# KiCad board raven.kicad_pcb (continued)
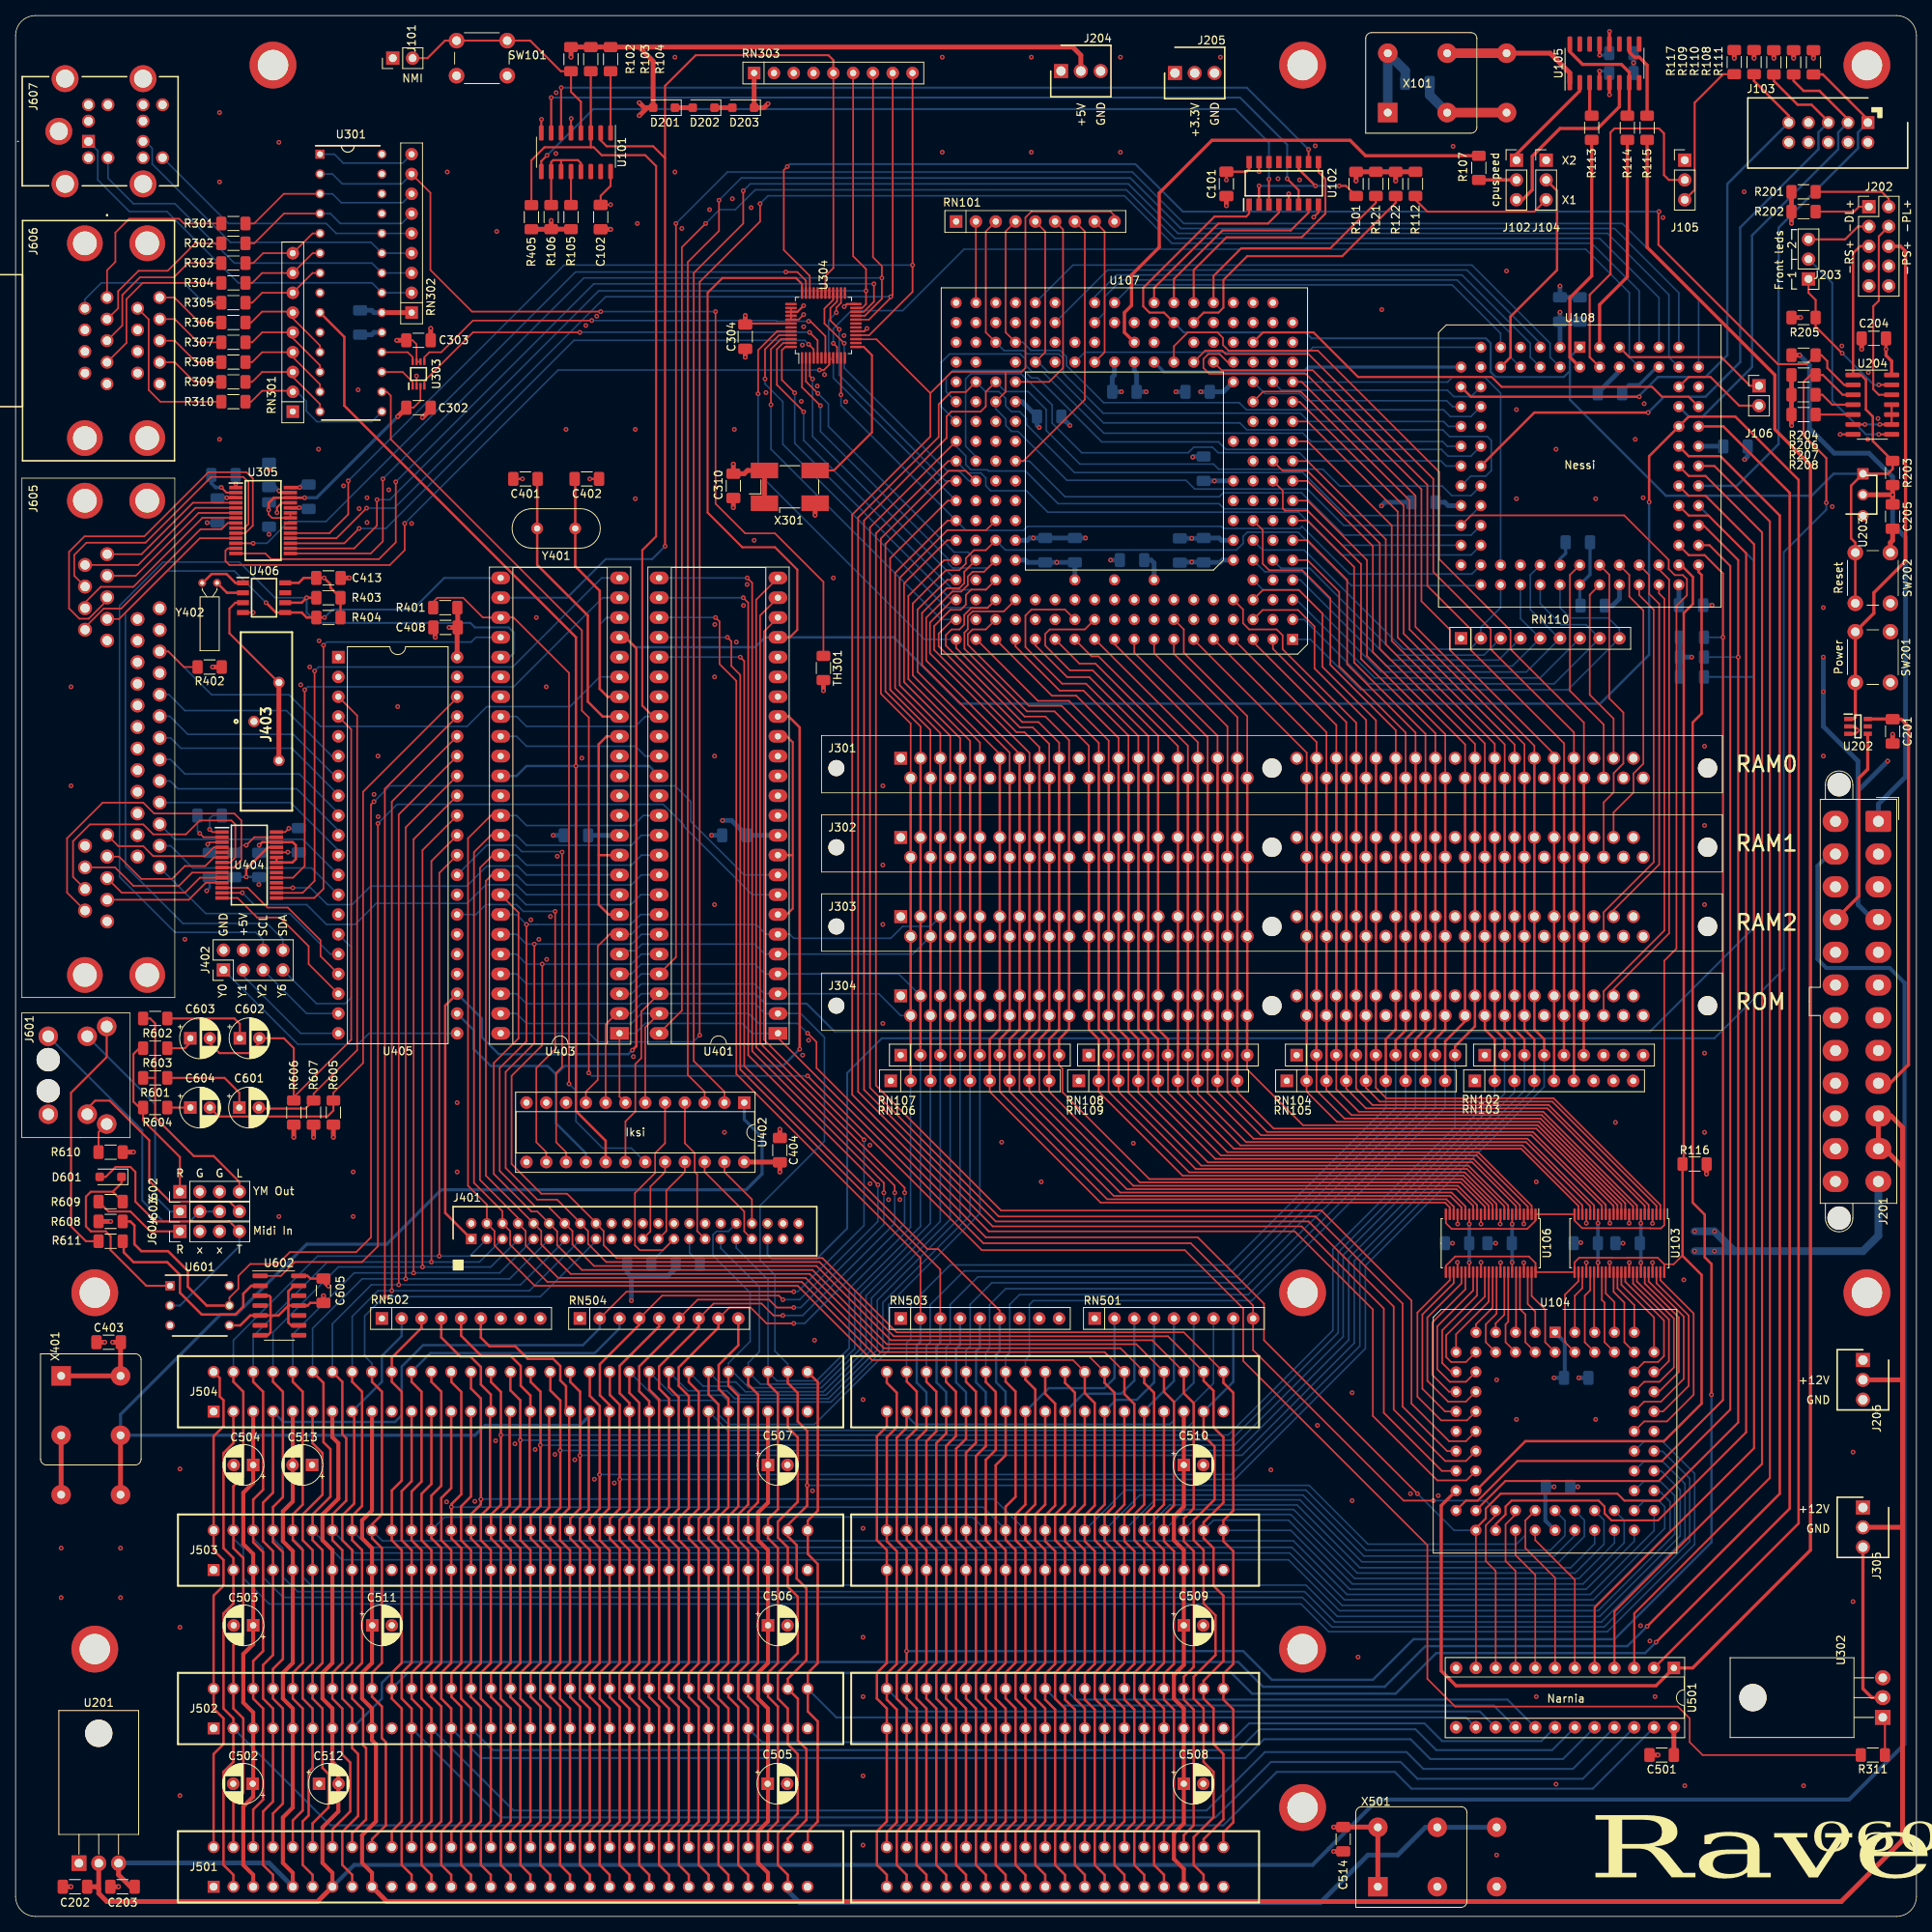
[diagram p0: board, top side]
## Routing (per net, layer and track width the routed paths; a pad name or vN(x,y) marks a point on that pad's centre or on a via; arc(x,y) is an arc through that point) (continued)
/Power/HDDLED+: length 7.1
  Top w0.254: J202.1 236.47,219.33 235.84,218.69 R202.2
/Power/HDDLED-: length 8.4
  Top w0.254: J202.3 236.35,216.79 234.7,215.14 J203.3
/Power/PWRLED+: length 10.8
  Top w0.254: R201.2 239.4,221.23 240.28,220.35 J202.2
/Power/PWRLED-: length 24.4
  Top w0.254: U204.12 239.01,195.2 238.3,195.91 238.3,206.55 239.01,207.26 239.01,215.52 J202.4
/Power/PWRSW+: length 65.9
  Top w0.406: U202.1 235.75,153.6 236,153.86 SW201.2 SW201.2 238.38,167.17 238.38,169.8 242.44,173.86 242.44,213.61 241.81,214.25 J202.6
A0: length 261.1
  Top w0.203: U104.20 183.64,59.69 177.93,65.41 177.93,78.61 166.75,89.79 126.12,89.79 109.6,106.31 109.6,178.18 U107.L18
  Bottom w0.203: U107.L18 120.65,188.6 121.89,187.35 121.89,186.23 122.55,185.57 124.66,185.57 124.81,185.42 129.54,185.42 133.73,181.23 154.38,181.23 155.04,180.57 165.48,180.57 170.15,175.9 185.42,175.9
A1: length 262.5
  Top w0.203: U107.K18 119.64,186.69 110.36,177.41 110.36,106.6 126.42,90.55 167.51,90.55 179.07,78.99 179.07,65.79 183.9,60.96 186.05,60.96 U104.19
  Bottom w0.203: U107.K18 122.17,185.17 123.82,185.17 124.46,184.53 124.46,183.52 125.09,182.88 129.67,182.88 132.41,180.14 164.57,180.14 170.05,174.65 186.72,174.65 187.96,175.9
A2: length 294.2
  Top w0.203: v1(106.3,201.8) 103.76,204.34 103.76,206.25 104.88,207.37 U304.28 ; U107.J17 121.89,185.45 119.68,185.45 111,176.76 111,156.85 114.82,153.02 J301.2
  Top w0.305: J501.60 96.52,10.92 97.79,12.19 97.79,26.92 96.52,28.19 J502.60 96.52,31.24 97.79,32.51 97.79,47.24 96.52,48.51 96.52,50.95 97.79,52.22 97.79,67.06 96.52,68.33 J504.60 ; RN106.2 114.82,107.2 J304.2 J301.2
  Bottom w0.203: U401.3 97.89,118.46 ; U401.3 110.74,118.36 113.55,115.56 J304.2 ; U401.3 96.06,118.36 94.8,119.62 80.26,119.62 79,118.36 U403.3 ; J401.35 92.45,85.75 96.52,81.69 J504.60 97.66,68.71 102.75,68.71 106.93,72.89 106.93,80.52 114.81,88.39 RN106.2 ; v1(106.3,201.8) 106.3,198.63 119.51,185.42 121.03,185.42 122.3,184.15 U107.J17
A3: length 293.8
  Top w0.203: U107.J18 119.66,184.15 111.58,176.07 111.58,157.15 116.09,152.64 J301.3 ; v1(105.66,203.58) 104.52,204.72 104.52,206.31 105.38,207.17 U304.27
  Top w0.305: J301.3 J304.3 116.08,118.09 RN107.2 ; 93.98,8.92 93.98,10.95 95.25,12.22 95.25,26.95 93.98,28.22 93.98,31.27 95.25,32.54 95.25,46.81 93.98,48.08 93.98,51.87 95.25,53.14 95.25,66.95 93.98,68.22 93.98,69.88
  Bottom w0.203: RN107.2 116.08,88.52 107.65,80.09 107.65,72.85 103.07,68.28 95.55,68.28 J504.59 93.98,71.02 95.4,72.44 95.4,80.77 90.45,85.72 J401.33 ; U403.4 79,120.9 80.26,122.16 94.86,122.16 96.12,120.9 U401.4 113.28,120.9 J304.3 ; U107.J18 119.25,184.15 105.66,197.74 v1(105.66,203.58)
A4: length 303
  Top w0.203: U107.H18 119.58,181.61 112.19,174.22 112.19,157.35 117.36,152.18 J301.4 ; U304.26 105.88,206.97 105.28,206.38 v1(105.28,205.74)
  Top w0.305: RN106.3 117.36,107.2 J304.4 J301.4 ; 91.44,69.8 91.44,68.05 92.71,66.78 92.71,52.58 91.44,51.31 91.44,48.46 92.71,47.19 92.71,32.46 91.44,31.19 91.44,28.14 92.71,26.87 92.71,12.14 91.44,10.87 91.44,8.84
  Bottom w0.203: v1(105.28,205.74) 104.3,204.75 104.3,200.12 104.9,199.52 104.9,197.36 U107.H18 ; J401.36 91.44,87.88 89.92,87.88 89.46,87.43 89.46,84.79 94.23,80.01 94.23,73.76 91.44,70.97 J504.58 92.02,69.85 94.06,67.82 103.38,67.82 108.38,72.82 108.38,79.93 117.35,88.9 RN106.3 ; J303.4 115.09,123.44 U401.5 96.1,123.44 94.82,124.73 80.34,124.73 79.49,123.88 77.9,123.88 U403.5
A5: length 370.4
  Top w0.203: J301.5 118.63,151.78 112.83,157.58 112.83,172.34 119.56,179.07 U107.G18 ; U403.6 76.2,125.98 74.68,124.46 74.68,107.32 73.15,105.79 U402.9 ; v1(105.88,195.2) U304.11
  Top w0.305: RN107.3 118.62,118.09 J304.5 J301.5 ; 88.9,8.84 88.9,10.87 90.17,12.14 90.17,26.87 88.9,28.14 88.9,31.19 90.17,32.46 90.17,47.19 88.9,48.46 88.9,51.05 90.17,52.32 90.17,65.68 88.9,66.95 88.9,69.8
  Bottom w0.203: RN107.3 118.62,89.15 109.09,79.63 109.09,72.77 103.63,67.31 93.62,67.31 92.38,68.55 90.2,68.55 J504.57 ; U403.6 78.98,125.98 80.24,127.24 95,127.24 96.26,125.98 U401.6 ; U401.6 98.06,125.72 ; U401.6 99.31,125.98 99.82,125.48 112.27,125.48 113.79,127 117.37,127 J303.5 ; U108.34 186.82,172.21 171.12,172.21 165.02,178.31 164.77,178.05 154.94,178.05 154.69,178.31 129.79,178.31 129.29,177.8 121.92,177.8 U107.G18 105.88,193.84 v1(105.88,195.2)
A6: length 212.4
  Top w0.152: RN106.4 119.9,107.2 J304.6 J301.6
  Top w0.203: J301.6 119.9,151.45 113.41,157.94 113.41,171.7 119.53,177.83 124.49,177.83 U107.G16
  Top w0.305: 86.36,69.8 86.36,68.53 87.63,67.26 87.63,52.32 86.36,51.05 86.36,48.46 87.63,47.19 87.63,32.46 86.36,31.19 86.36,28.14 87.63,26.87 87.63,12.14 86.36,10.87 86.36,8.84
  Bottom w0.203: J504.56 88.19,68.02 91.82,68.02 92.96,66.88 103.96,66.88 109.8,72.72 109.8,79.32 119.89,89.41 RN106.4
A7: length 209.5
  Top w0.203: U107.F18 119.51,176.53 113.97,170.99 113.97,158.34 121.17,151.14 J301.7
  Top w0.305: RN107.4 121.16,118.09 J304.7 J301.7 ; 83.79,8.84 83.79,10.87 85.06,12.14 85.06,26.87 83.79,28.14 83.79,31.19 85.06,32.46 85.06,47.19 83.79,48.46 83.79,51.02 85.06,52.29 85.06,66.6 83.79,67.87 83.79,69.8
  Bottom w0.203: J504.55 86.23,67.44 91.24,67.44 92.25,66.42 104.27,66.42 110.54,72.69 110.54,79.04 121.16,89.66 RN107.4
A8: length 211.1
  Top w0.203: J301.8 122.44,150.81 114.53,158.72 114.53,169.39 119.13,173.99 U107.E18
  Top w0.305: J301.8 J304.8 122.44,107.2 RN106.5 ; 81.28,8.86 81.28,10.9 82.55,12.17 82.55,26.9 81.28,28.17 81.28,31.22 82.55,32.49 82.55,47.22 81.28,48.49 81.28,51.05 82.55,52.32 82.55,66.32 81.28,67.59 81.28,69.82
  Bottom w0.203: J504.54 84.28,66.85 90.65,66.85 91.52,65.99 104.6,65.99 111.25,72.64 111.25,78.74 122.43,89.92 RN106.5
A9: length 290.5
  Top w0.203: U107.F16 124.46,175.26 122.94,175.26 121.89,174.22 121.89,173.53 121.06,172.69 119.35,172.69 115.09,168.43 115.09,159.21 123.71,150.58 J301.9
  Top w0.305: RN107.5 123.7,118.09 J304.9 J301.9 ; 78.74,8.84 78.74,10.87 80.01,12.14 80.01,26.87 78.74,28.14 78.74,31.19 80.01,32.46 80.01,47.19 78.74,48.46 78.74,51.05 80.01,52.32 80.01,65.89 78.74,67.16 78.74,69.8
  Bottom w0.203: RN107.5 123.7,90.17 112.01,78.49 112.01,72.64 102.49,63.12 91.43,63.12 90.17,64.38 90.17,65.53 89.51,66.19 82.4,66.19 J504.53 ; U107.F16 126.97,175.29 156.62,175.29 157.48,176.15 157.48,177.04 158.01,177.57 164.52,177.57 171.37,170.71 187.86,170.71 U108.33
A10: length 364.1
  Top w0.203: J301.61 194.83,150.18 179.58,165.43 179.58,182.25 164.97,196.85 U107.P01
  Top w0.305: J301.61 J304.61 194.83,113.78 196.09,112.52 RN102.4 ; 76.23,69.8 76.23,66.9 77.5,65.63 77.5,52.3 76.23,51.03 76.23,48.46 77.5,47.19 77.5,32.46 76.23,31.19 76.23,28.14 77.5,26.87 77.5,12.14 76.23,10.87 76.23,8.84
  Bottom w0.203: U107.P01 163.86,196.82 183.69,196.82 184.35,197.49 188.42,197.49 190.5,195.4 U108.36 ; RN102.4 196.09,106.43 173.15,83.49 173.15,72.85 156.36,56.06 v1(77.5,56.06)
A11: length 319.2
  Top w0.203: U107.N03 160.05,195.61 164.86,195.61 178.82,181.65 178.82,165.1 193.56,150.36 J301.60
  Top w0.305: J301.60 J302.60 J303.60 J304.60 193.56,113.78 194.82,112.52 RN103.4 ; J501.51 73.66,10.92 74.93,12.19 74.93,26.92 73.66,28.19 J502.51 73.66,31.24 74.93,32.51 74.93,47.24 73.66,48.51 73.66,51.05 74.93,52.32 74.93,65.51 73.66,66.78 J504.51
  Bottom w0.203: RN103.4 194.82,106.17 172.44,83.79 172.44,73.18 155.95,56.69 74.93,56.69 v1(74.9,56.67)
A12: length 312.1
  Top w0.203: U107.N01 164.72,194.31 178.05,180.98 178.05,164.57 192.29,150.33 J301.59
  Top w0.305: J301.59 J304.59 192.29,113.78 193.55,112.52 RN102.3 ; 71.15,8.86 71.15,10.9 72.42,12.17 72.42,26.9 71.15,28.17 71.15,31.22 72.42,32.49 72.42,47.22 71.15,48.49 71.15,51.05 71.86,51.77 71.86,51.78 72.42,52.34 72.42,67.31 71.15,68.58 71.15,69.82
  Bottom w0.203: v1(72.39,59.13) 72.42,59.16 157.33,59.16 171.73,73.56 171.73,84.1 193.55,105.92 RN102.3
A13: length 310.7
  Top w0.203: J301.58 191.02,150.36 177.29,164.08 177.29,180.21 165.73,191.77 U107.M01
  Top w0.305: 68.61,8.89 68.61,10.92 69.88,12.19 69.88,26.92 68.61,28.19 68.61,31.24 69.88,32.51 69.88,47.24 68.61,48.51 68.61,51.16 69.88,52.43 69.88,66.19 68.61,67.46 68.61,69.85 ; RN103.3 192.28,112.52 191.02,113.78 J304.58 J301.58
  Bottom w0.203: RN103.3 192.28,105.71 171.02,84.46 171.02,73.96 156.83,59.77 v1(69.85,59.77)
A14: length 308.7
  Top w0.203: J301.57 189.75,150.41 176.53,163.63 176.53,178.44 165.73,189.23 U107.L01
  Top w0.305: RN102.2 191.01,112.52 189.75,113.78 J304.57 J301.57 ; 66.07,8.89 66.07,10.92 67.34,12.19 67.34,26.92 66.07,28.19 66.07,31.24 67.34,32.51 67.34,47.24 66.07,48.51 66.07,51.38 67.34,52.65 67.34,60.43 v1(67.31,60.45) 67.34,60.48 67.34,67.31 66.07,68.58 66.07,69.85
  Bottom w0.203: RN102.2 191.01,105.54 170.31,84.84 170.31,74.37 156.39,60.45 v1(67.31,60.45)
A15: length 306.7
  Top w0.203: U107.K01 165.73,186.69 175.77,176.66 175.77,163.17 188.48,150.46 J301.56
  Top w0.305: 63.47,8.86 63.47,10.9 64.74,12.17 64.74,26.9 63.47,28.17 63.47,31.22 64.74,32.49 64.74,47.22 63.47,48.49 63.47,51.49 64.74,52.76 v1(64.74,61.09) 64.74,66.22 63.47,67.49 63.47,69.82 ; RN103.2 189.74,112.52 188.48,113.78 J304.56 J301.56
  Bottom w0.203: RN103.2 189.74,105.28 169.67,85.22 169.67,74.88 155.88,61.09 v1(64.74,61.09)
A16: length 308.1
  Top w0.203: J301.55 187.21,150.41 175.01,162.61 175.01,176.15 165.71,185.45 162.53,185.45 U107.K02
  Top w0.305: J301.55 J304.55 187.21,114.19 184.66,111.63 RN104.9 ; 60.99,8.86 60.99,10.9 62.26,12.17 62.26,26.9 60.99,28.17 60.99,31.22 62.26,32.49 62.26,47.22 60.99,48.49 60.99,51.54 62.26,52.81 62.26,67.28 60.99,68.55 60.99,69.82
  Bottom w0.203: v1(62.26,61.75) 155.55,61.75 168.99,75.18 168.99,85.6 184.66,101.27 RN104.9
A17: length 364.6
  Top w0.203: J301.54 185.94,150.36 174.12,162.18 174.12,175.77 165.73,184.15 U107.J01
  Top w0.305: 129.54,69.88 129.54,68.86 130.81,67.59 130.81,52.86 129.54,51.59 129.54,48.29 130.81,47.02 130.81,32.54 129.54,31.27 129.54,27.97 130.81,26.7 130.81,12.22 129.54,10.95 129.54,8.92 ; 58.42,8.86 58.42,10.9 59.69,12.17 59.69,26.9 58.42,28.17 58.42,31.22 59.69,32.49 59.69,47.22 58.42,48.49 58.42,51.59 59.69,52.86 59.69,66.45 58.42,67.72 58.42,69.82 ; RN105.9 183.39,112.27 185.94,114.82 J304.54 J301.54
  Bottom w0.203: J503.88 125.53,53.54 59.72,53.54 v1(59.69,53.52) ; RN105.9 183.39,103.78 158.6,78.99 130.56,78.99 130.05,78.49 130.05,71.91 129.54,71.4 J504.88
  Bottom w0.305: J504.45 58.42,70.31
A18: length 362.1
  Top w0.203: U107.H01 165.73,181.61 173.35,173.99 173.35,161.7 183.4,151.65 J301.52
  Top w0.305: 55.91,8.86 55.91,10.9 57.18,12.17 57.18,26.9 55.91,28.17 55.91,31.22 57.18,32.49 57.18,47.22 55.91,48.49 v1(55.91,52.53) 55.91,52.88 57.18,54.15 57.18,67.28 55.91,68.55 55.91,69.82 ; 127,8.92 127,10.95 128.27,12.22 128.27,26.7 127,27.97 127,31.27 128.27,32.54 128.27,47.02 127,48.29 127,52.55 128.27,53.82 128.27,67.34 127,68.61 127,69.88 ; RN104.8 182.12,112.52 183.4,113.8 J304.52 J301.52
  Bottom w0.203: J503.87 127,49.61 124.1,52.5 55.93,52.5 v1(55.91,52.53) ; J504.87 127,71.78 127.53,72.31 127.53,78.51 128.78,79.76 158.11,79.76 182.12,103.76 RN104.8
A19: length 367.2
  Top w0.203: U107.J02 162.56,182.88 162.56,180.62 162.84,180.34 165.73,180.34 172.59,173.48 172.59,161.32 182.13,151.78 J301.51
  Top w0.305: RN105.8 180.85,112.65 182.13,113.93 J304.51 J301.51 ; J504.43 53.34,68.58 54.61,67.31 54.61,55.25 53.34,53.98 53.34,48.51 54.61,47.24 54.61,32.51 53.34,31.24 J502.43 53.34,28.19 54.61,26.92 54.61,12.19 53.34,10.92 J501.43 ; 124.46,8.86 124.46,10.9 125.73,12.17 125.73,26.64 124.46,27.91 124.46,31.22 125.73,32.49 125.73,46.96 124.46,48.23 124.46,58.57 125.73,59.84 125.73,67.28 124.46,68.55 124.46,69.82
  Bottom w0.203: J504.86 124.46,72.36 124.94,72.85 124.94,78.46 127,80.52 157.61,80.52 180.85,103.76 RN105.8 ; J503.86 122.76,51.23 55.04,51.23 J503.43
A20: length 224.6
  Top w0.203: U107.G01 165.73,179.07 171.7,173.1 171.7,160.86 180.86,151.7 J301.50
  Top w0.305: J501.85 121.92,10.92 123.19,12.19 123.19,26.67 121.92,27.94 J502.85 121.92,31.24 123.19,32.51 123.19,46.99 121.92,48.26 121.92,59.49 123.19,60.76 123.19,67.31 121.92,68.58 J504.85 ; RN104.7 179.58,112.52 180.86,113.8 J304.50 J301.50
  Bottom w0.203: RN104.7 179.58,103.73 157.12,81.28 125.22,81.28 122.45,78.51 122.45,73.13 121.92,72.59 J504.85
A21: length 222.8
  Top w0.203: U107.F01 165.73,176.53 170.81,171.45 170.81,160.63 179.59,151.85 J301.49
  Top w0.305: RN105.7 178.31,112.52 179.59,113.8 J304.49 J301.49 ; 119.35,69.85 119.35,68.58 120.62,67.31 120.62,61.62 119.35,60.35 119.35,48.26 120.62,46.99 120.62,32.51 119.35,31.24 119.35,27.94 120.62,26.67 120.62,12.19 119.35,10.92 119.35,8.89
  Bottom w0.203: J504.84 119.38,73.03 119.89,73.53 119.89,78.49 123.44,82.04 156.67,82.04 178.31,103.68 RN105.7
A22: length 221
  Top w0.203: U107.E01 165.71,173.99 169.8,169.9 169.8,160.38 178.32,151.85 J301.48
  Top w0.305: J504.83 116.84,68.58 118.11,67.31 118.11,62.23 116.84,60.96 116.84,48.26 118.11,46.99 118.11,32.51 116.84,31.24 J502.83 116.84,27.94 118.11,26.67 118.11,12.19 116.84,10.92 J501.83 ; RN104.6 177.04,112.4 178.32,113.68 J304.48 J301.48
  Bottom w0.203: RN104.6 177.04,103.68 156.16,82.8 121.67,82.8 117.32,78.46 117.32,73.63 116.84,73.15 J504.83
A23: length 230.3
  Top w0.203: J301.47 177.05,152.16 168.66,160.55 168.66,169.09 165.05,172.69 160.81,172.69 159.99,173.51 159.99,177.83 U107.G03
  Top w0.305: 114.33,69.88 114.33,68.61 115.6,67.34 115.6,62.56 114.33,61.29 114.33,48.29 115.6,47.02 115.6,32.54 114.33,31.27 114.33,27.97 115.6,26.7 115.6,12.22 114.33,10.95 114.33,8.92 ; J301.47 J304.47 177.05,113.8 175.77,112.52 RN105.6
  Bottom w0.203: J504.82 114.3,73.56 114.83,74.09 114.83,78.51 119.89,83.57 155.65,83.57 175.77,103.68 RN105.6
A24: length 45.7
  Bottom w0.203: U107.D01 164.8,171.45 175.84,160.4 192.02,160.4 RN110.5 193.04,166.5 U108.37 193.01,170.82
A25: length 43.5
  Bottom w0.203: U107.F03 159.99,175.29 165.3,175.29 178.03,162.56 186.56,162.56 RN110.2 187.96,165.35 190.5,167.89 U108.35
A26: length 35.2
  Bottom w0.203: RN110.3 188.34,161.8 177.16,161.8 166.01,172.95 162.33,172.95 U107.E02
A27: length 43.1
  Bottom w0.203: U107.C01 164.31,168.91 174.35,158.88 195.58,158.88 RN110.7
A28: length 40.8
  Bottom w0.203: RN110.4 190.25,161.16 176.38,161.16 165.05,172.49 160.25,172.49 U107.E03
A29: length 57.1
  Bottom w0.203: U107.B01 165.3,166.37 173.56,158.12 197.36,158.12 RN110.8 201.45,165.71 198.27,165.71 195.58,168.4 U108.39
A30: length 57.6
  Bottom w0.203: U107.D03 160.02,170.18 164.57,170.18 175.11,159.64 193.8,159.64 RN110.6 197.99,163.96 194.31,167.64 194.31,172.09 U108.40
A31: length 60.2
  Bottom w0.203: U108.41 198.12,167.89 199.44,166.57 204.32,166.57 205.74,165.15 RN110.9 199.14,157.35 172.57,157.35 166.09,163.83 U107.A01
AUDIO_YM_L: length 30.9
  Top w0.254: 17.91,107.57 17.91,102.49 22.86,97.54 25.4,97.54 28.7,94.23 J602.4 ; 17.91,107.57 17.91,114.55 17.27,115.19 R602.1 ; 17.91,107.57 R601.1
AUDIO_YM_R: length 22
  Top w0.254: J602.1 21.08,97.41 16.36,102.13 R604.1 15.88,103.76 15.11,104.52 15.11,110.62 15.88,111.38 R603.1
BCLK: length 28.1
  Top w0.406: 206.76,227.9 206.76,210.31 203.2,206.76 U108.83
BCLK_X2: length 30.8
  Top w0.406: U108.2 199.39,200.03 199.39,207.65 202.18,210.44 202.18,227.9
BD0: length 27.1
  Top w0.203: U104.53 208.91,63.5 211.84,63.5 215.26,66.93 215.26,77.34 210.99,81.62 U103.47
BD1: length 22.1
  Top w0.203: U104.54 211.33,64.77 214.63,68.07 214.63,77.09 210.49,81.23 U103.46
BD2: length 23.6
  Top w0.203: U103.44 209.49,81.47 214,76.96 214,68.96 211.07,66.04 208.91,66.04 U104.55
BD3: length 18.8
  Top w0.203: U103.43 208.99,81.21 213.36,76.84 213.36,69.85 210.82,67.31 U104.56
BD4: length 20.6
  Top w0.203: U103.41 207.99,81.44 212.72,76.71 212.72,70.42 210.88,68.58 208.91,68.58 U104.57
BD5: length 15.8
  Top w0.203: U103.40 207.49,81.18 212.09,76.58 212.09,71.25 210.69,69.85 U104.58
BD6: length 17.5
  Top w0.203: U104.59 208.91,71.12 210.69,71.12 211.45,71.88 211.45,76.45 206.49,81.42 U103.38
BD7: length 12
  Top w0.203: U103.37 205.99,81.03 210.19,76.84 U104.60
BD8: length 8.6
  Top w0.203: U104.61 207.64,78.42 205.49,80.58 U103.36
BD9: length 11.4
  Top w0.203: U103.35 204.99,80.13 206.38,78.74 206.38,73.66 U104.62
BD10: length 8.2
  Top w0.203: U103.33 203.99,79.92 205.1,78.8 U104.63
BD11: length 10.9
  Top w0.203: U104.64 203.83,73.66 203.83,78.74 203.49,79.09 U103.32
BD12: length 7.7
  Top w0.203: U104.65 202.49,75.01 U103.30
BD13: length 11.1
  Top w0.203: U103.29 201.99,80.32 201.29,79.63 201.29,73.66 U104.66
BD14: length 8.1
  Top w0.203: U103.27 200.99,80.59 200.03,79.63 U104.67
BD15: length 11.5
  Top w0.203: U103.26 200.49,81.49 198.75,79.76 198.75,73.66 U104.68
BD16: length 11.5
  Top w0.203: U106.47 194.48,79.59 196.22,77.85 196.22,73.66 U104.2
BD17: length 8.1
  Top w0.203: U106.46 193.98,78.56 194.94,77.6 U104.3
BD18: length 11.1
  Top w0.203: U106.44 192.98,77.91 193.67,77.22 193.67,73.66 U104.4
BD19: length 7.7
  Top w0.203: U104.5 192.48,75.01 U106.43
BD20: length 10.9
  Top w0.203: U106.41 191.48,76.29 191.13,75.95 191.13,73.66 U104.6
BD21: length 8.2
  Top w0.203: U106.40 190.98,77.19 189.86,76.07 U104.7
BD22: length 11.4
  Top w0.203: U104.8 188.59,73.66 188.59,75.95 189.98,77.33 U106.38
BD23: length 8.6
  Top w0.203: U106.37 189.48,78.1 187.32,75.95 U104.9
BD24: length 12
  Top w0.203: U106.36 188.98,78.87 184.78,74.68 U104.10
BD25: length 17.5
  Top w0.203: U106.35 188.48,79.51 183.51,74.55 183.51,71.76 184.15,71.12 186.05,71.12 U104.11
BD26: length 15.8
  Top w0.203: U106.33 187.48,79.66 183.01,75.18 183.01,70.99 184.15,69.85 U104.12
BD27: length 20.5
  Top w0.203: U106.32 186.98,80.3 182.37,75.69 182.37,70.19 183.99,68.58 186.05,68.58 U104.13
BD28: length 18.9
  Top w0.203: U106.30 185.98,80.44 181.74,76.2 181.74,69.47 183.9,67.31 U104.14
BD29: length 23.6
  Top w0.203: U106.29 185.48,81.21 181.1,76.84 181.1,68.71 183.77,66.04 186.05,66.04 U104.15
BD30: length 22.1
  Top w0.203: U104.16 183.39,64.77 180.47,67.69 180.47,77.22 184.48,81.23 U106.27
BD31: length 26.9
  Top w0.203: U106.26 183.98,81.62 179.83,77.47 179.83,66.68 182.88,63.63 186.18,63.63 U104.17
CLK2: length 107.4
  Top w0.305: v1(100.58,111.25) 100.58,152.53 99.19,153.92 U401.17
  Bottom w0.305: 69.34,108.01 68.26,109.09 60.96,109.09 58.8,111.25 58.8,113.67 U405.22 ; 69.34,108.01 70.42,109.09 98.43,109.09 v1(100.58,111.25) ; 69.34,108.01 69.34,101.73 73.15,97.92 U402.16
CLK4: length 146.4
  Top w0.305: U301.9 42.16,202.63 42.16,193.8 71.88,164.09 v1(71.88,147.57) 71.88,103.31 75.69,99.5 U402.17 ; U403.35 63.12,146.3
  Bottom w0.305: U401.35 81.28,147.57 v1(71.88,147.57) 65.53,147.57 64.26,146.3 U403.35
CLK8: length 241.3
  Top w0.305: J501.20 73.66,5.33 72.39,6.6 72.39,10.92 73.66,12.19 J502.20 73.66,26.67 72.39,27.94 72.39,31.24 73.66,32.51 J503.20 73.66,46.99 72.39,48.26 72.39,51.05 73.53,52.2 73.53,64.64 J504.20
  Top w0.61: X401.5 X401.5
  Bottom w0.406: J504.20 73.66,64.26 72.39,62.99 60.2,62.99 58.93,61.72 X401.5 13.46,64.39 26.29,77.22 28.32,77.22 37.34,86.23 47.62,86.23 54.61,93.22 93.73,93.22 95.76,95.25 95.76,99.95 93.47,102.24 U402.1
COM1:CD: length 19.2
  Top w0.203: J605.A1 16.15,174.75 22.75,181.35 U305.4
COM1:CTS: length 24.6
  Top w0.203: J605.A8 8.91,168.55 10.92,170.56 15.11,170.56 23.97,179.42 28.23,179.42 U305.7
COM1:DSR: length 22.4
  Top w0.203: U305.5 23.06,180.7 15.73,173.37 J605.A6
COM1:DTR: length 20.8
  Top w0.203: U305.11 23.63,176.8 13.28,166.44 J605.A4
COM1:RI: length 25.2
  Top w0.203: J605.A9 8.91,165.37 11.3,167.77 13.54,167.77 23.72,177.95 26.42,177.95 27.21,178.75 28.25,178.75
COM1:RTS: length 38.6
  Top w0.203: J605.A7 7.52,171.99 7.52,174.65 9.09,176.23 16.66,176.23 25.1,184.66 29.21,184.66 29.87,184 29.87,178.61 29.35,178.1 U305.9
COM1:RXD: length 19.8
  Top w0.203: J605.A2 15.41,171.98 23.48,180.05 28.25,180.05
COM1:TXD: length 50.8
  Top w0.203: J605.A3 11.75,168.85 9.37,166.47 8.18,166.47 6.86,167.79 6.86,175.06 8.84,177.04 16.51,177.04 24.74,185.27 29.62,185.27 30.43,184.45 30.43,178.41 29.46,177.45 U305.10
COM2:CD: length 16.3
  Top w0.203: J605.B1 13.19,137.29 16.38,137.29 17.65,136.02 24.3,136.02 25.44,137.15 U404.4
COM2:CTS: length 36.2
  Top w0.203: U404.7 27.53,135.2 28.19,135.86 28.19,140.08 27.69,140.59 23.62,140.59 21.84,138.81 17.65,138.81 16.38,140.08 9.52,140.08 7.37,137.92 7.37,133.34 J605.B8
COM2:DTR: length 15.6
  Top w0.203: U404.11 24.4,132.6 22.21,130.42 J605.B4
COM2:RI: length 43.4
  Top w0.203: J605.B9 6.6,131.34 6.6,138.3 11.18,142.88 16.38,142.88 17.78,141.48 28.07,141.48 28.96,140.59 28.96,135.51 28,134.55 U404.8
COM2:RTS: length 19.2
  Top w0.203: J605.B7 12.75,134.57 15.11,132.21 20.95,132.21 22.65,133.9 U404.9
COM2:RXD: length 17.1
  Top w0.203: J605.B2 13.27,135.96 16.13,133.1 20.07,133.1 21.72,134.75 24.33,134.75 25.44,135.85 U404.6 26.43,135.89
COM2:TXD: length 16.3
  Top w0.203: J605.B3 13.62,131.32 21.72,131.32 23.65,133.25 U404.10
D0: length 118.3
  Top w0.203: J301.45 174.51,153.43 167.64,160.3 167.64,167.13 164.62,170.15 159.99,170.15 U107.C03 ; RN104.5 174.5,106.3 175.84,104.95 197.31,104.95 210.99,91.27 U103.2
  Top w0.305: RN104.5 174.5,118.09 J304.45 J301.45
D1: length 115.8
  Top w0.203: J301.44 173.24,153.48 166.62,160.1 166.62,165.48 164.52,167.59 159.97,167.59 U107.B03 ; RN105.5 173.23,106.29 174.99,104.52 197.13,104.52 210.49,91.16 U103.3
  Top w0.305: J301.44 J302.44 J303.44 J304.44 173.24,107.2 RN105.5
D2: length 116.2
  Top w0.203: J301.43 171.97,153.12 162.53,162.56 162.53,164.34 161.77,165.1 158.24,165.1 157.45,165.89 157.45,167.67 U107.C04 ; RN104.4 171.96,106.2 174.07,104.09 196.67,104.09 209.49,91.27 U103.5
  Top w0.305: RN104.4 171.96,118.09 J304.43 J301.43
D3: length 107.2
  Top w0.203: U103.6 208.99,91.16 196.49,103.66 173.23,103.66 170.69,106.2 RN105.4 ; J301.42 170.7,153.2 161.29,162.61 U107.A02
  Top w0.305: RN105.4 170.7,107.2 J304.42 J301.42
D4: length 108
  Top w0.203: J301.41 169.43,152.82 158.75,163.5 U107.A03 ; RN104.3 169.42,106.12 172.31,103.23 195.97,103.23 207.99,91.2 U103.8
  Top w0.305: J301.41 J304.41 169.42,118.09 RN104.3
D5: length 109.3
  Top w0.203: U103.9 207.49,91.09 195.79,102.79 171.37,102.79 168.15,106.02 RN105.3 ; U107.A04 156.24,163.83 168.16,151.91 J301.40
  Top w0.305: J301.40 J304.40 168.16,107.2 RN105.3
D6: length 110.4
  Top w0.203: U103.11 206.49,91.48 195.61,102.36 170.46,102.36 166.88,105.94 RN104.2 ; J301.39 166.89,150.64 153.7,163.83 U107.A05
  Top w0.305: RN104.2 166.88,118.09 J304.39 J301.39
D7: length 111.7
  Top w0.203: U107.A06 151.13,163.78 165.62,149.29 J301.38 ; RN105.2 165.61,105.82 169.49,101.93 195.43,101.93 205.99,91.37 U103.12
  Top w0.305: J301.38 J304.38 165.62,107.2 RN105.2
D8: length 117.5
  Top w0.203: RN108.9 157.99,108.66 165.15,101.5 195.25,101.5 205.49,91.26 U103.13 ; J301.36 158,153.96 149.86,162.1 149.86,165.1 U107.B07
  Top w0.305: J301.36 J304.36 157.99,115.55 RN108.9
D9: length 116.9
  Top w0.203: J301.35 156.73,153.84 148.59,161.98 U107.A07 ; U103.14 204.99,91.15 195.07,101.07 161.39,101.07 156.72,105.73 RN109.9
  Top w0.305: J301.35 J304.35 156.73,107.2 RN109.9
D10: length 117.7
  Top w0.203: U107.A08 146.05,162.05 155.46,152.64 J301.34 ; RN108.8 155.45,105.73 160.54,100.63 194.64,100.63 203.99,91.29 U103.16
  Top w0.305: J301.34 J304.34 155.45,115.55 RN108.8
D11: length 118.9
  Top w0.203: J301.33 154.19,151.45 143.51,162.13 U107.A09 ; RN109.8 154.18,105.79 159.77,100.2 194.46,100.2 203.49,91.18 U103.17
  Top w0.305: RN109.8 154.19,107.2 J304.33 J301.33
D12: length 119.8
  Top w0.203: J301.32 152.92,151.27 140.97,163.22 U107.A10 ; U103.19 202.49,91.21 193.93,99.77 158.8,99.77 152.91,105.66 RN108.7
  Top w0.305: RN108.7 152.91,115.55 J304.32 J301.32
D13: length 121.2
  Top w0.203: RN109.7 151.64,105.54 157.84,99.34 193.75,99.34 201.99,91.1 U103.20 ; U107.A11 138.46,163.83 151.65,150.64 J301.31
  Top w0.305: J301.31 J304.31 151.65,107.2 RN109.7
D14: length 122.5
  Top w0.203: J301.30 150.38,150.18 138.91,161.65 138.02,161.65 135.89,163.78 U107.A12 ; RN108.6 150.37,105.66 157.12,98.91 193.32,98.91 200.99,91.24 U103.22
  Top w0.305: RN108.6 150.37,115.55 J304.30 J301.30
D15: length 124.4
  Top w0.203: J301.29 149.11,150.13 138.53,160.71 136.47,160.71 U107.A13 ; U103.23 200.49,91.13 193.14,98.48 156.29,98.48 149.1,105.66 RN109.6
  Top w0.305: RN109.6 149.11,107.2 J304.29 J301.29
D16: length 128
  Top w0.203: U106.2 194.48,91.17 187.6,98.04 155.45,98.04 147.83,105.66 RN108.5 ; U107.B11 137.16,165.1 132.66,165.1 132.08,164.52 132.08,163.02 135.25,159.84 138.18,159.84 146.57,151.45 J301.27
  Top w0.305: RN108.5 147.83,112.52 146.57,113.78 J304.27 J301.27
D17: length 120.8
  Top w0.203: U106.3 193.98,91.06 187.43,97.61 154.61,97.61 146.56,105.66 RN109.5 ; U107.A14 130.81,163.07 134.9,158.98 137.74,158.98 145.3,151.42 J301.26
  Top w0.305: J301.26 J304.26 145.3,113.78 146.56,112.52 RN109.5
D18: length 131.5
  Top w0.203: U106.5 192.98,91.22 187.02,97.18 153.9,97.18 145.29,105.79 RN108.4 ; J301.25 144.03,151.42 137.31,158.14 134.24,158.14 129.54,162.84 129.54,166.88 130.3,167.64 134.62,167.64 U107.B12
  Top w0.305: J301.25 J304.25 144.03,113.78 145.29,112.52 RN108.4
D19: length 122
  Top w0.203: U107.A15 128.27,162.92 133.93,157.25 136.98,157.25 142.76,151.47 J301.24 ; RN109.4 144.02,105.66 152.93,96.75 186.84,96.75 192.48,91.11 U106.6